# Altium PCB UltraZOhm_CarrierBoard.PcbDoc (part 3 of 12) (continued)
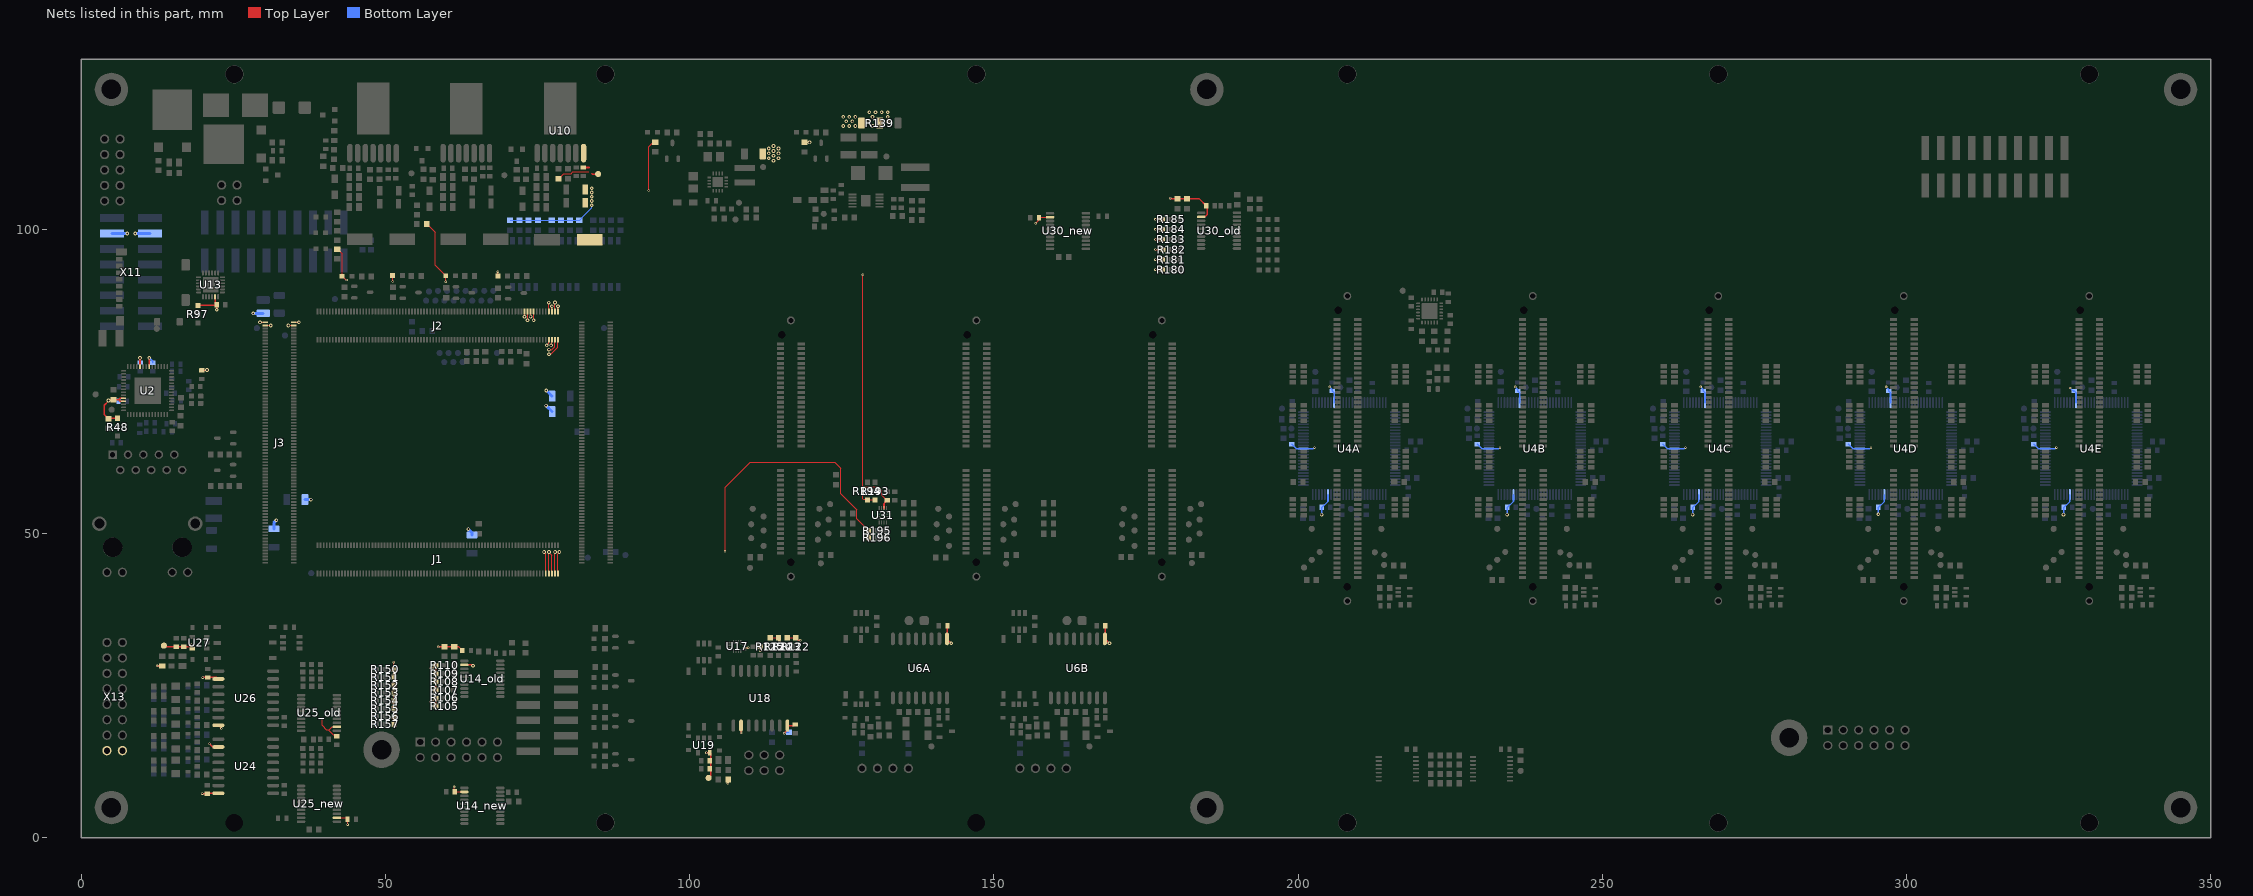
[diagram p7: the nets of this part, all layers, seen from the top]
## Part data (continued)
R67A R67B R67C R67D R67E R68A R68B R68C R68D R68E R69A R69B R69C R69D R69E R70A R70B R70C R70D R70E R72A R72B R72C R72D R72E R73A R73B R73C R73D R73E R174A R174B R174C R174D: library part R_0603, "SMD Resistor 0603", MPN=MCMR06X51R0FTL, Package=0603, Power=100mW, Supplier Part Number 1=2073529, Tolerance=1%, Voltage=75V, Created=2018_09_06_AGeiger, MF=Multicomp, Supplier 1=Farnell
R75A R75B R75C R75D R75E R138: library part R_0603, "SMD Resistor 0603", MPN=tbd, Package=0603, Assembly=dnp, Created=2018_09_06_AGeiger, MF=tbd, Power=tbd, Supplier 1=tbd, Supplier Part Number 1=tbd, Tolerance=tbd, Voltage=tbd
R76A R76B R77A R77B R169A R169B R169C R169D R169E R169F R169G R169H: library part R_0603, "SMD Resistor 0603", MPN=MCWR06X62R0FTL, Package=0603, Power=100mW, Supplier Part Number 1=2447415, Tolerance=1%, Voltage=50V, Created=2018_09_06_AGeiger, MF=Multicomp, Supplier 1=Farnell
R80A R80B: library part R_0603, "SMD Resistor 0603", MPN=MCWR06X2942FTL, Package=0603, Power=100mW, Supplier Part Number 1=2694813, Tolerance=1%, Voltage=75V, Created=2018_09_06_AGeiger, MF=Vishay, Supplier 1=Farnell
R81A R81B R127 R164: library part R_0603, "SMD Resistor 0603", MPN=ERJ3EKF9311V, Package=0603, Power=100mW, Supplier Part Number 1=2059405, Tolerance=1%, Voltage=75V, Created=2018_09_06_AGeiger, MF=Panasonic, Supplier 1=Farnell
R82 R86: library part R_0603, "SMD Resistor 0603", MPN=MCWR04X4701FTL, Package=0603, Power=62.5mW, Supplier Part Number 1=2447187, Tolerance=±1%, Voltage=50V, Created=2018_09_06_AGeiger, MF=Multicomp, Supplier 1=Farnell
R83 R87: library part R_0603, "SMD Resistor 0603", MPN=MCWR06X1501FTL, Package=0603, Power=100mW, Supplier Part Number 1=2447279, Tolerance=±1%, Voltage=50V, Created=2018_09_06_AGeiger, MF=Multicomp, Supplier 1=Farnell
R84 R134: library part R_0603, "SMD Resistor 0603", MPN=CRCW0603100KFKEA, Package=0603, Power=100mW, Supplier Part Number 1=1469649, Tolerance=±1%, Voltage=75V, Created=2018_09_06_AGeiger, MF=Vishay, Supplier 1=Farnell
  R84: Assembly=dnp
R85 R89 R96 R137 R140 R143: library part R_0603, "SMD Resistor 0603", MPN=CR0603-FX-2002ELF, Package=0603, Power=100mW, Supplier Part Number 1=2333523, Tolerance=±1%, Voltage=50V, Created=2018_09_06_AGeiger, MF=Bourns, Supplier 1=Farnell
  R85 R89 R96: Assembly=dnp
R88 R95 R172 R173 R219 R220: library part R_0603, "SMD Resistor 0603", MPN=MCWR04X4702FTL, Package=0603, Power=100mW, Supplier Part Number 1=2447179, Tolerance=±1%, Voltage=50, Created=2018_09_06_AGeiger, MF="Multicomp Pro", Supplier 1=Farnell
R93: library part R_0603, "SMD Resistor 0603", MPN=MCWR06X1501FTL, Package=0603, Power=100mW, Supplier Part Number 1=2447279, Tolerance=1%, Voltage=50V, Created=2019_10_14_AGeiger, MF=Multicomp, Supplier 1=Farnell
R94: library part R_0603, "SMD Resistor 0603", MPN=ERA3ARB1911V, Package=0603, Power=100mW, Supplier Part Number 1=2094529, Tolerance=±0.1%, Voltage=75V, Created=2018_09_06_AGeiger, MF=Panasonic, Supplier 1=Farnell
R97 R105 R106 R107 R108 R109 R110 R122 R123 R124 R125 R150 R151 R152 R153 R154 R155 R156 R157 R158 R159 R160 R162 R163 R165 R166 R167 R180 R181 R182 R183 R184 R185 R186 R187 R188 R189 R190 R191 R193 R194 R195 R196: library part R_config, "Solder 0603 resistor/jumper between pads 1 and 2 for standard function. Solter resistor between pads 2 and 3 for alternative function", MPN=MCWR06X1002FTL, Package=0603, Power=100mW, Supplier Part Number 1=2447230, Tolerance=1%, Voltage=50V, Created=2018_09_04_AGeiger, MF=Multicomp, Supplier 1=Farnell
  R105 R107 R108 R109 R110 R150 R152 R153 R154 R155 R156 R157 R158 R159 R160 R162 R163 R165 R166 R167 R180 R182 R183 R184 R185 R186 R187 R188 R189 R190 R191: Assembly=dnp
R100 R101 R102 R103 R149 R211 R212 R213 R214 R215 R216 R217 R221 R222 R223 R224 R225: "SMD Resistor 0603", Package=0603, Power=tbd, Tolerance=1%, Created=2018_09_06_AGeiger, Voltage=tbd
R104 R192 R218: library part R_0603, "SMD Resistor 0603", MPN=MCWR06X2003FTL, Package=0603, Power=100mW, Supplier Part Number 1=2447291, Tolerance=1%, Voltage=50V, Created=2018_09_06_AGeiger, MF=Multicomp, Supplier 1=Farnell
R126 R161: library part R_0603, "SMD Resistor 0603", MPN=CRCW060316K0FKEA, Package=0603, Power=100mW, Supplier Part Number 1=2138433, Tolerance=1%, Voltage=75V, Created=2018_09_06_AGeiger, MF=Vishay, Supplier 1=Farnell
R128 R129 R130 R131 R133 R136: library part R_1206, "SMD Resistor 1206", MPN="MCMR12X000 PTL", Package=1206, Supplier Part Number 1=2073874, Tolerance=±0.05Ohm, Created=2018_07_20_AGeiger, MF=Multicomp, Supplier 1=Farnell
R135: library part R_0603, "SMD Resistor 0603", MPN=CRCW060324K9FKEA, Package=0603, Power=100mW, Supplier Part Number 1=1469785, Tolerance=±1%, Voltage=75V, Created=2018_09_06_AGeiger, MF=Vishay, Supplier 1=Farnell
R139: library part R_config, "Solder resistor/jumper between pads 1 and 2 for standard function. Solder resistor between pads 2 and 3 for alternative function", MPN="MCMR12X000 PTL", Package=1206, Supplier Part Number 1=2073874, Tolerance=±0.05Ohm, Created=2018_09_04_AGeiger, MF=Multicomp, Supplier 1=Farnell
R141: library part R_0603, "SMD Resistor 0603", MPN=MCWR06X2001FTL, Package=0603, Power=100mW, Supplier Part Number 1=2447319, Tolerance=±1%, Voltage=50V, Created=2018_09_06_AGeiger, MF=Multicomp, Supplier 1=Farnell
R144: library part R_0603, "SMD Resistor 0603", MPN=ERJ3EKF1601V, Package=0603, Power=100mW, Supplier Part Number 1=2303159, Tolerance=±1%, Voltage=75V, Created=2018_09_06_AGeiger, MF=Panasonic, Supplier 1=Farnell
R145: library part R_0603, "SMD Resistor 0603", MPN=ERJ3EKF4123V, Package=0603, Power=100mW, Supplier Part Number 1=2303283, Tolerance=±1%, Voltage=75V, Created=2018_09_06_AGeiger, MF=Panasonic, Supplier 1=Farnell
R170A R170B R170C R170D R170E R170F R170G R170H: library part R_0805_PTC-Fuse, "Resettable Fuse PTC, Trip Current 300mA, Current Rating 100mA", MPN=0ZCK0010FF2G, Package=0805, Supplier Part Number 1=530-0ZCK0010FF2G, Created=2018_09_14_AGeiger, HelpURL=https://www.mouser.de/datasheet/2/643/0ZCK_Nov2016-1135081.pdf, MF="Bel Fuse", Supplier 1=Mouser
R197: library part R_0603, "SMD Resistor 0603", MPN=MCMR06X51R0FTL, Package=0603, Power=100mW, Supplier Part Number 1=2073347, Tolerance=1%, Voltage=75V, Created=2018_09_06_AGeiger, MF=Multicomp, Supplier 1=Farnell
SW1 SW2 SW3: library part DIP-SW-4p, "DIP-/SIP Switches 4p SMT 1.27mm", MPN=1571983-5, MPN_2=GDH04STR04, Supplier Part Number 1=2060778, ComponentLink1Description=Datasheet, ComponentLink1URL=http://www.farnell.com/datasheets/1647573.pdf, Created=2018_11_15_AGeiger, MF="TE Connectivity", Supplier 1=Farnell, Supplier 2=Mouser, Supplier 3=Digi-Key, Supplier Part Number 2=506-GDH04STR04, Supplier Part Number 3=450-1762-1-ND
T1 T2 T3 T4 T5 T6 T7 T9A T9B T9C T9D T10: library part NPN-SOT23, MPN=MMBT3904-7-F, Package=SOT-23-3, Supplier Part Number 1=1773602, ComponentLink1Description=Datasheet, ComponentLink1URL=https://www.mouser.de/datasheet/2/115/ds30036-41708.pdf, Created=2018_10_30_AGeiger, MF="Diodes Incorporated", Supplier 1=Farnell, Supplier 2=Mouser, Supplier 3=Digi-Key, Supplier Part Number 2=621-MMBT3904-F, Supplier Part Number 3=MMBT3904-FDICT-ND
T8 T11: library part ONSC-PMOS-ATP108, "P-Channel Power MOSFET, -40 V, -70 A, 10.4 mOhm, Single, 3-Pin ATPAK, Pb-Free, Tape and Reel", Package="DPAK (Single Gauge) / ATPAK", Supplier Part Number 1=863-ATP108-TL-H, Channel Polarity="P Channel", Ciss Typ (pF)=3850, ComponentLink1Description="Manufacturer URL", ComponentLink1URL=http://www.onsemi.com/, ComponentLink2Description=Datasheet, ComponentLink2URL=http://www.onsemi.com/pub_link/Collateral/ENA1604-D.PDF, ComponentLink3Description="Package Specification", ComponentLink3URL=http://www.onsemi.com/pub_link/Collateral/369AM.PDF, Configuration=Single, Coss Typ (pF)=560, Created=2018_09_17_AGeiger, Crss Typ (pF)=390, ID Max (A)=70, MF="On Semiconductor", Mounting Technology="Surface Mount", MPN=ATP108-TL-H, PackageDescription="3-Pin Flange Mount, Body 6.5 x 7.3 mm, Pitch 2.3 mm", PackageReference=ATPAK-3-369AM, PackageVersion="Rev. O, 02/2012", Packing="Tape and Reel", PD Max (W)=60, RoHS=Pb-Free, Supplier 1=Mouser, Supplier 2=Farnell, Supplier 3=Digi-Key, Supplier Part Number 2=2774816RL, Supplier Part Number 3=ATP108-TL-HOSCT-ND, V(BR)DSS Min (V)=40, VGS(th) Max (V)=2.6, VGS Max (V)=20
TP1 TP2 TP3 TP4 TP5 TP6 TP7 TP8 TP9 TP10 TP11 TP12 TP13 TP14 TP15 TP16 TP17 TP18 TP19 TP20 TP21 TP22 TP23 TP24 TP25 TP26 TP27 TP28 TP29 TP30 TP31 TP32 TP33 TP34 TP35 TP36 TP37 TP38 TP39 TP40 TP41 TP42 TP43 TP45A TP45B TP45C TP46A TP46B TP46C TP47A TP47B TP47C TP48A TP48B TP48C TP49A TP49B TP49C TP50A TP50B TP50C TP51A TP51B TP51C TP52A TP52B TP52C TP53A TP53B TP53C TP54A TP54B TP54C TP55A TP55B TP55C TP56A TP56B TP56C TP57A TP57B TP57C TP57D TP57E TP58A TP58B TP58C TP58D TP58E TP59A TP59B TP59C TP59D TP59E TP60A TP60B TP60C TP60D TP60E TP61A TP61B TP61C TP61D TP61E TP62A TP62B TP62C TP62D TP62E TP63A TP63B TP63C TP63D TP63E TP64A TP64B TP64C TP64D TP64E TP65A TP65B TP65C TP65D TP65E TP66A TP66B TP66C TP66D TP66E TP67A TP67B TP67C TP67D TP67E TP68A TP68B TP69 TP70 TP71 TP72 TP73 TP74 TP75 TP76 TP77 TP78 TP79 TP80 TP81A TP81B TP81C TP81D TP81E TP82A TP82B TP82C TP82D TP82E TP83: library part TP_1mm, Created=2018_06_25_AGeiger
U1: library part SiT9003, "Automotive AEC-Q100 Oscillator 4MHz", MPN=SIT8924AM-12-33N-4.000000G, Package="2.5  x 2.0mm", Supplier Part Number 1=1473-1689-1-ND, Voltage=3.3V, ComponentLink1Description=Datasheet, ComponentLink1URL=https://media.digikey.com/pdf/Data%20Sheets/SiTime%20PDFs/SIT8924A.pdf, Created=2019_10_06_AGeiger, MF=SiTime, Supplier 1=Digi-Key
U2: library part 88E1512, "Ethernet ICs Single-port EEE GE PHY w/SGMII in 56-pin QFN package Industrial Temp", Package=QFN56, Supplier Part Number 1=348-88E1512A0NNP2I00, ComponentLink1Description=Datasheet, ComponentLink1URL=https://www.mouser.de/datasheet/2/912/arvell-phys-transceivers-alaska-88e151x-datasheet--1360912.pdf, Created=2018_07_17_AGeiger, MF=Marvell, MPN=88E1512-A0-NNP2I000, Supplier 1=Mouser
U3: library part SiT8008, "SiT8008BI-73-18S-25.000000G", MPN=SIT8008BI-73-18S-25.000000G, Package="2.0  x 1.6mm", Supplier Part Number 1=788-8008BI7318S25.G, Voltage=1.8V, ComponentLink1Description=Datasheet, ComponentLink1URL=https://4donline.ihs.com/images/VipMasterIC/IC/SIME/SIME-S-A0002505729/SIME-S-A0002505729-1.pdf?hkey=52A5661711E402568146F3353EA87419, Created=2018_07_17_AGeiger, HelpURL=https://www.sitime.com/products/lvcmos-oscillators/sit8008, MF=SiTime, Supplier 1=Mouser, Supplier 2=Digi-Key, Supplier Part Number 2=SIT8008BI-73-18S-25.000000G
U4A U4B U4C U4D U4E: "ispMACH 4064 SuperFAST High Density PLD, 3.3 V, 64 User I/Os, 100-Pin TQFP, 7.5 ns, Automotive Grade, Pb-Free", Package=TQFP100, Supplier Part Number 1=842-LA4128V75TN100E, ComponentLink1Description="Manufacturer URL", ComponentLink1URL=http://www.latticesemi.com/, ComponentLink2Description=Datasheet, ComponentLink2URL=http://www.latticesemi.com/dynamic/view_document.cfm?document_id=3646, Created=2018_06_29_AGeiger, MF=Lattice, MPN=LA4128V-75TN100E, Supplier 1=Mouser, Supplier 2=Digi-Key, Supplier Part Number 2=LA4128V-75TN100E-ND
U5A U5B U5C U5D U5E: library part 74AHCX1G14-5, "Inverting Schmitt trigger for 2 V to 5.5 V", Package=TSSOP-5, Supplier Part Number 1=1727-3149-2-ND, ComponentLink1Description=Datasheet, ComponentLink1URL=https://www.mouser.de/datasheet/2/916/74AHC_AHCT1G14-1319577.pdf, Created=2018_09_06_AGeiger, MF=Nexperia, MPN=74AHC1G14GW,125, Supplier 1=Digi-Key, Supplier 2=Mouser, Supplier 3=Farnell, Supplier Part Number 2=771-74AHC1G14GW-G, Supplier Part Number 3=2336684
U6A U6B: "5kV  Isolated CAN Transceivers", MPN=MAX14878AWE+, Package="SOIC-16 (wide-body)", Supplier Part Number 1=2792798, ComponentLink1Description=Datasheet, ComponentLink1URL=https://www.mouser.de/datasheet/2/256/MAX14878-MAX14880-1146963.pdf, Created=2018_09_05_AGeiger, MF="Maxim Integrated", Supplier 1=Farnell, Supplier 2=Mouser, Supplier 3=Digi-Key, Supplier Part Number 2=700-MAX14878AWE+, Supplier Part Number 3=MAX14878AWE+-ND
U7A U7B U19 U27: "LDO Voltage Regulator, Adjustable, 1.8V to 20V in, 300mV drop, 1.22V to 20V/0.1A out, TSOT-23-5", MPN=LT1761ES5-BYP#TRMPBF, Package=SOT23-5, Supplier Part Number 1=1663782, ComponentLink1Description=Datasheet, ComponentLink1URL=http://www.farnell.com/datasheets/1563033.pdf, Created=2018_09_13_AGeiger, MF="Linear Technology", Supplier 1=Farnell
U8A U8B U20 U28: library part WE-760390015, "MID-PPTI Push-Pull Transformers for Texas Instruments", Supplier Part Number 1=710-760390015, ComponentLink1Description=Datasheet, ComponentLink1URL=https://www.mouser.de/datasheet/2/445/760390015-221218.pdf, Created=2018_09_12_AGeiger, MF="Wuerth Elektronik", MPN=760390015, Supplier 1=Mouser, Supplier 2=Digi-Key, Supplier Part Number 2=732-4459-1-ND
U9A U9B U21 U29: library part SN6505B, "SN6505 Low-Noise 1-A Transformer Drivers for Isolated Power Supplies", Package="SOT-23 6-pin", Supplier Part Number 1=2507108, Created=2018_09_12_AGeiger, MF="Texas Instruments", MPN=SN6505BDBVT, Supplier 1=Farnell
U10 U11 U12: library part WE-DCDC-171050601, "DC/DC VIN = 6V-36V, 5A, VOUT = 0.8V-6V", Package=TO263-7EP, Supplier Part Number 1=710-171050601, ComponentLink1Description=Datasheet, ComponentLink1URL=https://www.mouser.de/datasheet/2/445/171050601-336102.pdf, Created=2018_09_06_AGeiger, HelpURL=https://katalog.we-online.de/de/pm/MAGIC-VDRM/171050601?m=n&sp=https%3A%2F%2Fwww.we-online.de%2Fweb%2Fde%2Felectronic_components%2Fsearchpage_PBS.php%3Fsearch%3D171050601#vs_ct:1, MF="Wuerth Elektronik", MPN=171050601, Supplier 1=Mouser
U13: Package=QFN24, Supplier Part Number 1=2335617RL, ComponentLink1Description=Datasheet, ComponentLink1URL=http://www.ti.com/lit/ds/symlink/txs02612.pdf, Created=2018_06_25_AGeiger, HelpURL=http://www.ti.com/product/TXS02612/samplebuy?CMP=conv-poasamples#samplebuy, MF="Texas Instruments", MPN=TXS02612RTWR, Supplier 1=Farnell, Supplier 2=Mouser, Supplier 3=Digi-Key, Supplier Part Number 2=595-TXS02612RTWR, Supplier Part Number 3=296-23869-1-ND
U14_new U25_new U30_new: library part TI-TXS0108EPWR, "8 Bit bidirictional level shifter with integrated pull up resistors and one shot output circuit", Max Voltage=3.6, Supplier Part Number 1=595-TXS0108EQPWRQ1, ComponentLink1Description=Datasheet, ComponentLink1URL=http://www.ti.com/lit/gpn/txs0108e-q1, Created=2020-05-05_Thilo_Wendt, HelpURL=http://www.ti.com/product/TXS0108E-Q1?keyMatch=TXS0108&tisearch=Search-EN-everything&usecase=part-number, MF="Texas Instruments", MPN=TXS0108EQPWRQ1, Supplier 1=Mouser, Supplier 2=RS, Supplier 3=Digi-Key, Supplier Part Number 2=709-4639, Supplier Part Number 3=296-23011-1-ND
U14_old U25_old U30_old: library part TI-LSF0108PWR, "Automotive 8-Channel Mulit-Voltage Level Translator", MPN=LSF0108QPWRQ1, Package=CurrentFootprint, Supplier Part Number 1=595-LSF0108QPWRQ1, ComponentLink1Description=Datasheet, ComponentLink1URL=http://www.ti.com/lit/ds/symlink/lsf0108-q1.pdf, Created=2018_09_17_AGeiger, MF="Texas Instruments", Supplier 1=Mouser
U15 U16: "74HC32A Quad 2-input OR gate", MPN=NLV74HC32ADTR2G, Package=TSSOP-14, Supplier Part Number 1=863-NLV74HC32ADTR2G, ComponentLink1Description=Datasheet, ComponentLink1URL=https://www.mouser.de/datasheet/2/308/MC74HC32A-D-96986.pdf, Created=2018_11_15_AGeiger, MF="ON Semiconductor", Qualification=AEC-Q100, Supplier 1=Mouser, Supplier 2=Digi-Key, Supplier Part Number 2=NLV74HC32ADTR2GOSCT-ND
U17 U31: library part SN74AVC4T774RSVR, "4-Bit Dual-Supply Bus Transceiver With Configurable Voltage-Level Shifting and 3-State Outputs With Independent Direction Control Inputs", Package=UQFN-16, Supplier Part Number 1=595-SN74AVC4T774RSVR, ComponentLink1Description=Datasheet, ComponentLink1URL=http://www.ti.com/lit/ds/symlink/sn74avc4t774.pdf, Created=2018_09_13_AGeiger, HelpURL=http://www.ti.com/product/SN74AVC4T774, MF="Texas Instruments", MPN=SN74AVC4T774RSVR, Supplier 1=Mouser
U18: "5 kV RMS Quad-Channel Digital Isoators", MPN=ADUM4401ARWZ, Package="SOIC-16 (wide-body)", Supplier Part Number 1=584-ADUM4401ARWZ-R, ComponentLink1Description=Datasheet, ComponentLink1URL=http://www.analog.com/media/en/technical-documentation/data-sheets/ADuM4400_4401_4402.pdf, Created=2018_09_13_AGeiger, MF="Analog Devices", Supplier 1=Mouser, Supplier 2=Newark, Supplier Part Number 2=11R0965
U22: library part TI-TPS62097-Q1, "2A High Efficiency Step-Down Converter in Wettable Flanks QFN Package", MPN=TPS62097QWRGTRQ1, Package="VQFN-16 (RGT Package with Wettable Flanks)", Supplier Part Number 1=2851313, ComponentLink1Description=Datasheet, ComponentLink1URL=http://www.ti.com/lit/ds/symlink/tps62097-q1.pdf, Created=2018_09_18_AGeiger, MF="Texas Instruments", Supplier 1=Farnell, Supplier 2=Mouser, Supplier 3=Digi-Key, Supplier Part Number 2=595-TPS62097QWRGTRQ1, Supplier Part Number 3=296-48349-1-ND
U23: library part TI-TPS54260-Q1, "3.5V to 60V Step-Down Converter With Eco-mode", MPN=TPS54260QDGQRQ1, Package=HVSSOP-10, Supplier Part Number 1=595-TPS54260QDGQRQ1, ComponentLink1Description=Datasheet, ComponentLink1URL=http://www.ti.com/lit/ds/symlink/tps54260-q1.pdf, Created=2018_09_20_AGeiger, MF="Texas Instruments", Supplier 1=Mouser, Supplier 2=Digi-Key, Supplier Part Number 2=296-28183-1-ND
U24 U26: "5 kV RMS Quad-Channel Digital Isolators", MPN=ADUM4402WARWZ, Package="SOIC-16 (wide-body)", Supplier Part Number 1=584-ADUM4402WARWZ, ComponentLink1Description=Datasheet, ComponentLink1URL=https://www.mouser.de/datasheet/2/609/ADuM4400W_4401W_4402W-879095.pdf, Created=2018_09_17_AGeiger, MF="Analog Devices", Supplier 1=Mouser
U32: library part TI_LMK00105, "Ultra-Low Jitter LVCMOS Fanout Buffer ad Level Translator With Universal Input", MPN=LMK00105SQ/NOPB, Package=WQFN-24, Supplier Part Number 1=2492236, Created=2018_12_19_AGeiger, MF="Texas Instruments", Supplier 1=Farnell, Supplier 2=Mouser, Supplier 3=Digi-Key, Supplier Part Number 2=926-LMK00105SQ/NOPB, Supplier Part Number 3=296-35192-1-ND
X1 X8: library part TE0790-JB, MPN=TE0790-02, Created=2018_09_04_AGeiger, MF="Trenz Electronic", Supplier 1="Trenz Electronic", Supplier 2=Digi-Key, Supplier Part Number 1=TE0790-02, Supplier Part Number 2=1686-1023-ND
X3: library part IPL1-110-XX-X-D-X, "2.54mm Double Row Terminal Assembly", Supplier Part Number 1=2779506, Created=2018_05_02_AGeiger, MF=SAMTEC, MPN=CurrentFootprint, Supplier 1=Farnell, Supplier 2=Mouser, Supplier 3=Digi-Key, Supplier Part Number 2=200-IPL111002LDK, Supplier Part Number 3=SAM10586-ND
X4: "WE-RJ45 LAN Transformer, 10/100/1000 Base-T, THT, Port 1x1, Tab Vertical", Operating Temperature="-40 to +85 degC", Package=RJ45, Supplier Part Number 1=2356117, ComponentLink1Description=Manufacturer, ComponentLink1URL=http://www.we-online.de, ComponentLink2Description=Datasheet, ComponentLink2URL=http://katalog.we-online.de/pbs/datasheet/7499110123.pdf, Created=2018_11_22_AGeiger, Data Rate="10/100/1000 Base-T", LED (Left-Right)=yellow/green-green/yellow, MF="Wuerth Elektronik", Mounting Technology=THT, MPN=7499110123, PoE=non-PoE, Port Number=1x1, Published Date="Dec. 2017", Supplier 1=Farnell, Supplier 2=Mouser, Supplier 3=Digi-Key, Supplier Part Number 2=710-7499110123, Supplier Part Number 3=732-4958-ND, Tab Position=Vertical, USB=No
X5A X5B X5C: library part HSEC8-140-01-XX-DV-A-BL, "0.8mm High Speed Edge Card Assembly", Supplier Part Number 1=2731769, Created=2018_04_10_AGeiger, MF=SAMTEC, MPN=HSEC8-140-01-L-DV-A-BL, Supplier 1=Farnell, Supplier 2=Mouser, Supplier 3=Digi-Key, Supplier Part Number 2=200-HSEC814001LDVABL, Supplier Part Number 3=HSEC8-140-01-L-DV-A-BL-ND
X6A X6B X6C X6D X6E: library part HSEC8-150-01-XX-DV-A-BL, "0.8mm High Speed Edge Card Assembly", Supplier Part Number 1=2731836, Created=2018_04_10_AGeiger, MF=SAMTEC, MPN=HSEC8-150-01-L-DV-A-BL, Supplier 1=Farnell, Supplier 2=Mouser, Supplier 3=Digi-Key, Supplier Part Number 2=200-HSEC815001LDVABL, Supplier Part Number 3=HSEC8-150-01-L-DV-A-BL-ND
X7A X7B: library part IPL1-104-XX-X-S-X, "2.54mm Single Row Terminal Assembly, Right Angle", Supplier Part Number 1=2856253, Created=2018_05_02_AGeiger, MF=SAMTEC, MPN=CurrentFootprint, Supplier 1=Farnell, Supplier 2=Mouser, Supplier 3=Digi-Key, Supplier Part Number 2=200-IPL110401LSK, Supplier Part Number 3=SAM9098-ND
X9: library part HTSS-110-XX-X-DX, "2.54mm Double Row Terminal Assembly", Supplier Part Number 1=1801396, Created=2018_11_25_AGeiger, MF=SAMTEC, MPN=CurrentFootprint, Supplier 1=Farnell, Supplier 2=Mouser, Supplier 3=Digi-Key, Supplier Part Number 2=200-HTSS11001LDV, Supplier Part Number 3=SAM9516-ND
X10: library part IPL1-106-XX-X-D-X, "2.54mm Double Row Terminal Assembly, Right-Angled", Supplier Part Number 1=200-IPL110602LDK, Created=2018_05_03_AGeiger, MF=SAMTEC, MPN=CurrentFootprint, Supplier 1=Mouser, Supplier 2=Digi-Key, Supplier Part Number 2=SAM10584-ND
X11: library part IPL1-108-XX-X-D-X, "2.54mm Double Row Terminal Assembly", Supplier Part Number 1=2526789, Created=2018_09_17_AGeiger, MF=SAMTEC, MPN=CurrentFootprint, Supplier 1=Farnell, Supplier 2=Mouser, Supplier 3=Digi-Key, Supplier Part Number 2=200-IPL110802LDK, Supplier Part Number 3=SAM9606-ND
X12: library part IPL1-103-XX-X-D-X, "2.54mm Double Row Terminal Assembly", Supplier Part Number 1=2856248, Created=2018_05_02_AGeiger, MF=SAMTEC, MPN=CurrentFootprint, Supplier 1=Farnell, Supplier 2=Mouser, Supplier 3=Digi-Key, Supplier Part Number 2=200-IPL110301LDK, Supplier Part Number 3=SAM9594-ND
X13: library part IPL1-108-XX-X-D-X, "2.54mm Double Row Terminal Assembly", Supplier Part Number 1=2856261, Created=2018_09_17_AGeiger, MF=SAMTEC, MPN=CurrentFootprint, Supplier 1=Farnell, Supplier 2=Mouser, Supplier 3=Digi-Key, Supplier Part Number 2=200-IPL110801LDK, Supplier Part Number 3=SAM10585-ND
X14: library part IPL1-105-XX-X-D-X, "2.54mm Double Row Terminal Assembly", Supplier Part Number 1=2308545, Created=2018_05_02_AGeiger, MF=SAMTEC, MPN=CurrentFootprint, Supplier 1=Farnell, Supplier 2=Mouser, Supplier 3=Digi-Key, Supplier Part Number 2=200-IPL110501LDK, Supplier Part Number 3=SAM8825-ND
X15: library part IPL1-102-XX-X-D-X, "2.54mm Double Row Terminal Assembly, Right-Angled", Supplier Part Number 1=2667420, Created=2018_05_02_AGeiger, MF=SAMTEC, MPN=CurrentFootprint, Supplier 1=Farnell, Supplier 2=Mouser, Supplier 3=Digi-Key, Supplier Part Number 2=200-IPL110201LDK, Supplier Part Number 3=SAM10565-ND
X16: library part 104031-0811, "microSD Memory Card Connector with Detect Switch", Case=microSD, Supplier Part Number 1=2466891, ComponentLink1Description=Datasheet, ComponentLink1URL=https://www.mouser.de/datasheet/2/276/1040310811_MEMORY_CARD_SOCKET-153593.pdf, Created=2018_09_13_AGeiger, MF=Molex, MPN=104031-0811, Supplier 1=Farnell, Supplier 2=Mouser, Supplier 3=Digi-Key, Supplier Part Number 2=538-104031-0811, Supplier Part Number 3=WM6357CT-ND
Serial1: Created=2018_09_18_AGeiger

## Free pads (board coordinates)
  round 0 hole 2.9 unplated mask+0.102: hole(25.2,2.5)
  round 3 hole 2.9 unplated: hole(25.2,125.5) hole(86.16,2.5) hole(86.16,125.5) hole(147.12,125.5) hole(208.08,2.5) hole(208.08,125.5) hole(269.04,2.5) hole(269.04,125.5) hole(330,2.5) hole(330,125.5)
  round 0 hole 2.9 unplated: hole(147.12,2.5)

## Via types
v1: diameter 0.4, hole 0.2, Top Layer to Bottom Layer, tented bottom, 866 vias
v2: diameter 0.4, hole 0.2, Top Layer to Bottom Layer, tented both sides, 783 vias
v3: diameter 0.6, hole 0.3, Top Layer to Bottom Layer, tented both sides, 508 vias
v4: diameter 0.6, hole 0.3, Top Layer to Bottom Layer, tented bottom, 276 vias
v5: diameter 0.5, hole 0.2, Top Layer to Bottom Layer, tented bottom, 5 vias
v6: diameter 0.5, hole 0.3, Top Layer to Bottom Layer, tented bottom, 5 vias
v7: diameter 1, hole 0.5, Top Layer to Bottom Layer, tented bottom, 2 vias
v8: diameter 0.4, hole 0.2, Top Layer to Bottom Layer, 1 vias

## Nets (pads, with @x,y where several pads share a name; then routed paths per layer and width w, separated by ;. In a path a pad name is that pad's centre, name@x,y a point inside that pad or via, vN(x,y) a via of type N, cw(c..) or ccw(c..) an arc to the next point about the centre after c; other vN are vias at no path point)
1V8_MOD: R128.1 R129.1 R130.2 R131.1 R133.1 R136.1 R139.3 R146.1 | length 15.1
  Top Layer w0.2: v1(93.3,106.4) 93.3,113.6 94.048,114.348 R146.1@94.362,114.348
  Bottom Layer w0.5: R129.1@31.679,50.791 31.679,51.779 v4(32.1,52.2) ; R128.1@36.791,55.61 37.765,55.61 v4(37.775,55.6) ; v4(63.65,50.75) 64.245,50.155 R136.1@64.245,49.791 ; v4(76.425,71.05) R133.1@77.407,70.069 ; v4(76.45,73.525) 76.487,73.525 R131.1@77.407,72.605
  other v3: 113,111.7 113,112.5 113,113.3
  other v4: 113.8,111.3 114.6,111.7 113.8,112.1 114.6,112.5 113.8,112.9 114.6,113.3 113.8,113.7 125.25,117 126.25,117 127.25,117 125.75,117.75 126.75,117.75 125.25,118.5 126.25,118.5 127.25,118.5
1V8_PER: C5.1 C6.1 C7.1 C22A.2 C22B.2 C22C.2 C22D.2 C22E.2 C23A.2 C23B.2 C23C.2 C23D.2 C23E.2 C24A.2 C24B.2 C24C.2 C24D.2 C24E.2 C34A.2 C34B.2 C71.1 C74.2 C77.2 C100.1 C109.2 C110.1 C117.1 C119.2 C124.1 L3.1 R48.1 R50.1 R97.3 R100.1 R101.1 R105.3 R106.3 R107.3 R108.3 R109.3 R110.3 R122.1 R123.3 R124.1 R125.1 R139.2 R148.1 R150.3 R151.3 R152.3 R153.3 R154.3 R155.3 R156.3 R157.3 R176.1 R177.1 R180.3 R181.3 R182.3 R183.3 R184.3 R185.3 R193.1 R194.1 R195.1 R196.1 R210.2 U2.10 U2.11 U2.49 U2.52 U4A.13 U4A.33 U4A.95 U4B.13 U4B.33 U4B.95 U4C.13 U4C.33 U4C.95 U4D.13 U4D.33 U4D.95 U4E.13 U4E.33 U4E.95 U6A.1 U6B.1 U13.5 U14_new.2 U14_old.2 U17.14 U25_new.2 U25_old.2 U30_new.2 U30_old.2 U31.14 X11.7 X11.15 | length 236.9
  Top Layer w0.2: L3.1@19.851,76.856 20.656,76.856 v3(20.7,76.9) ; v1(39.6,19.6) 39.6,18.5 40.317,17.783 40.783,17.783 ; U25_new.2@41.95,3.325 U25_new.2@42.05,3.325 43.575,3.325 C100.1@43.8,3.1 v2(43.8,2.2) ; U25_old.2@41.956,18.272 41.944,18.26 41.26,18.26 40.783,17.783 ; C119.2@42,16.7 41.75,16.95 41.45,16.95 40.783,17.617 40.783,17.783 ; v1(51.4,28.9) 51.425,28.875 R150.3@51.425,27.7 R151.3@51.425,26.414 R152.3@51.425,25.129 R153.3@51.425,23.843 R154.3@51.425,22.557 R155.3@51.425,21.271 R156.3@51.425,19.986 R157.3@51.425,18.7 ; v1(61.3,8.4) 61.3,7.7 C124.1@61.4,7.6 63.075,7.6 U14_new.2@63.1,7.575 ; U14_old.2@62.584,28.475 U14_old.2@63.207,28.475 ; v1@105.842,47.066 105.842,57.607 109.957,61.722 123.85,61.722 124.841,60.731 124.841,56.566 127.45,53.957 127.45,52.471 R195.1@129.4,50.521 R196.1@129.4,49.341 ; U17.14@108.996,31.273 109.602,31.273 v2(109.625,31.25) ; v2(111.6,30.8) 111.631,30.831 C77.2@111.631,31.411 ; R125.1@113.257,32.897 R124.1@114.628,32.897 114.628,32.372 v2(114.7,32.3) ; R123.3@116.051,32.897 R122.1@117.448,32.897 117.845,32.5 v2(118.2,32.5) ; R148.1@118.873,114.323 119.677,114.323 v4(119.7,114.3) ; v1(128.473,92.558) 128.473,57.544 ; R193.1@130.48,55.548 R194.1@129.21,55.548 129.133,55.624 128.602,55.624 128.473,55.753 128.473,57.544 ; C110.1@132.386,55.485 131.572,56.299 131.572,57.038 130.901,57.709 128.638,57.709 128.473,57.544 ; v2(156.9,101) 157.4,101.5 C117.1@157.4,101.9 157.5,102 159.308,102 U30_new.2@159.329,102.021
  Top Layer w0.254: R48.1@6.001,68.975 4.575,68.975 R210.2@4.499,68.9 3.8,69.599 3.8,71.1 4.5,71.8 v3(4.5,71.9) 4.619,72.019 6.181,72.019 ; U2.11@6.995,71.755 6.445,71.755 6.181,72.019 ; U2.10@6.995,72.255 6.417,72.255 6.181,72.019 ; U2.52@9.685,77.445 9.685,78.885 v3(9.7,78.9) ; U2.49@11.185,77.445 11.185,78.885 v3(11.2,78.9) ; R97.3@19.204,87.515 22.223,87.515 C71.1@22.303,87.596 ; U13.5@22.025,88.949 22.025,87.874 C71.1@22.303,87.596 ; v3(22.3,86.8) 22.303,86.803 C71.1@22.303,87.596 ; v3(57.6,22.4) 57.689,22.4 R106.3@58.302,23.012 R105.3@58.302,21.684 ; v3(57.6,27.9) 57.835,27.9 R110.3@58.302,28.366 R109.3@58.302,27.025 R107.3@58.302,24.364 ; v8(58.7,31.4) 59.703,31.4 R101.1@59.751,31.448 62.022,31.448 C74.2@62.662,30.808 C74.2@62.662,30.759 ; U14_old.2@63.207,28.475 64.225,28.475 v3(64.4,28.3) ; U31.14@131.95,54.21 131.95,54.948 132.163,55.162 132.163,55.262 C110.1@132.386,55.485 ; C34A.2@142.364,34.855 142.364,32.785 U6A.1@142.299,32.72 142.299,32.701 v3(143,32) ; C34B.2@168.317,34.855 168.317,32.785 U6B.1@168.252,32.72 168.972,32 v3(169,32) ; v1(176.555,93.396) R180.3@177.661,93.396 ; v1(176.555,95.047) R181.3@177.661,95.047 ; v1(176.555,96.698) R182.3@177.661,96.698 ; v1(176.555,98.349) R183.3@177.661,98.349 ; v1(176.555,100) R184.3@177.661,100 ; v1(176.555,101.651) R185.3@177.661,101.651 ; v1(178.994,105.156) 179.033,105.156 179.167,105.022 R177.1@180.199,105.022 R176.1@181.723,105.022 183.784,105.022 C109.2@184.913,103.894 185.1,103.706 185.1,102.5 184.621,102.021 U30_old.2@184.043,102.021
  Bottom Layer w0.254: v3(4.5,71.9) 6.049,71.9 C5.1@6.171,71.778 ; v3(9.7,78.9) 9.716,78.884 C7.1@9.716,78.116 ; v3(11.2,78.9) 11.774,78.326 C6.1@11.774,78.091 ; C23A.2@198.988,64.707 199.707,63.988 202.519,63.988 v1(202.692,64.16) ; v3(203.86,53.137) 203.897,53.173 C22A.2@203.897,54.336 203.936,54.336 204.907,55.307 U4A.95@204.907,56.438 ; v2(205.181,74.117) 205.613,73.686 C24A.2@205.613,73.448 205.9,73.16 205.9,71.544 U4A.33@205.907,71.538 ; C23B.2@229.468,64.707 230.187,63.988 232.999,63.988 v1(233.172,64.16) ; v3(234.34,53.137) 234.377,53.173 C22B.2@234.377,54.336 234.416,54.336 235.387,55.307 U4B.95@235.387,56.438 ; v1(235.661,74.117) 236.093,73.686 C24B.2@236.093,73.448 236.38,73.16 236.38,71.544 U4B.33@236.387,71.538 ; C23C.2@259.948,64.707 260.667,63.988 263.479,63.988 v1(263.652,64.16) ; v3(264.82,53.137) 264.857,53.173 C22C.2@264.857,54.336 264.896,54.336 265.867,55.307 U4C.95@265.867,56.438 ; v2(266.141,74.117) 266.573,73.686 C24C.2@266.573,73.448 266.86,73.16 266.86,71.544 U4C.33@266.867,71.538 ; C23D.2@290.428,64.707 291.147,63.988 293.959,63.988 v1(294.132,64.16) ; v3(295.351,53.188) 295.344,53.195 295.344,54.328 C22D.2@295.337,54.336 295.376,54.336 296.347,55.307 U4D.95@296.347,56.438 ; v1(296.621,74.117) 297.053,73.686 C24D.2@297.053,73.448 297.34,73.16 297.34,71.544 U4D.33@297.347,71.538 ; C23E.2@320.908,64.707 321.627,63.988 324.439,63.988 v1(324.612,64.16) ; v3(325.78,53.137) 325.817,53.173 C22E.2@325.817,54.336 325.856,54.336 326.827,55.307 U4E.95@326.827,56.438 ; v1(326.847,73.939) 327.339,73.448 C24E.2@327.533,73.448 327.82,73.16 327.82,71.544 U4E.33@327.827,71.538
  Bottom Layer w0.5: X11.15@5.106,99.33 v3(7.6,99.33) ; v3(8.9,99.33) X11.7@11.329,99.33
  other v1: 105.816,47.092
  other v4: 130.05,117 132.55,117.725 129.55,117.75 130.05,118.5 132.55,118.5 129.55,119.25 130.55,119.25 131.55,119.25 132.55,119.25
3V3_ISOGPIO: C97.1 C99.1 C102.2 C105.1 R161.2 TP80.1 U24.10 U24.16 U26.10 U26.16 U27.5 X13.1 X13.9 | length 13.9
  Top Layer w0.254: v2(12.497,28.27) 12.505,28.262 R161.2@13.35,28.262 ; TP80.1@13.604,31.602 13.796,31.41 C105.1@15.636,31.41 C102.2@16.906,31.41 17.996,31.41 U27.5@18.136,31.27 ; v2(18.136,31.775) U27.5@18.136,31.27 ; U27.5@18.246,31.16 U27.5@18.136,31.27 ; v2(19.914,7.29) 19.93,7.274 C97.1@20.716,7.274 20.781,7.339 U24.16@22.566,7.339 ; v2(20.015,26.365) 20.026,26.376 C99.1@20.818,26.376 22.325,26.376 U26.10@22.566,26.135 ; v2(21.107,15.494) 21.643,14.959 U24.10@22.566,14.959 ; U26.16@22.566,18.515 23.063,18.018 v2(23.063,18.009)
3V3_ISOSPI: C80.1 C81.2 C84.1 R120.1 R126.2 TP74.1 U18.10 U18.16 U19.5 | length 10.4
  Top Layer w0.254: v2(102.768,13.995) 102.791,14.017 U19.5@103.31,14.017 103.441,13.886 103.441,10.202 TP74.1@103.122,9.883 ; v2(106.299,8.966) 106.335,9.002 R126.2@106.335,9.629 ; U18.10@108.456,18.464 108.456,17.249 v2(108.458,17.247) ; v2(115.57,17.22) 116.076,17.726 U18.16@116.076,18.464 117.23,18.464 C80.1@117.396,18.63
  Bottom Layer w0.254: v2(115.57,17.22) 115.687,17.338 R120.1@116.33,17.338
3V3_MOD: C46.1 C47.1 C48.2 C49.2 D1.2 D2.2 D3.2 D25.2 J1.151 J1.153 J1.155 J1.157 J1.159 J2.138 J2.140 J2.142 J2.144 J2.153 J2.154 J2.155 J2.156 J2.157 J2.158 J2.159 J2.160 J3.157 J3.158 J3.159 J3.160 L1.2 R17.2 R18.2 R20.2 R21.2 R22.2 R23.2 R24.2 R25.2 R82.2 R91.2 R222.2 TP69.1 U10.7 | length 80.6
  Top Layer w0.2: v4(29.4,84.725) 29.411,84.736 J3.160@30.287,84.736 ; J3.158@30.287,84.236 31.164,84.236 v3(31.175,84.225) ; v3(34.075,84.225) 34.086,84.236 J3.157@34.957,84.236 ; J3.159@34.957,84.736 34.971,84.75 v3(35.8,84.75) ; R91.2@42.105,96.78 42.155,96.78 42.9,96.035 D25.2@42.9,92.299 43.505,91.694 v2(43.637,91.694) ; v2(51.206,91.44) 51.21,91.444 D3.2@51.21,92.409 ; R222.2@56.8,100.9 58.2,99.5 58.2,94.112 D2.2@59.933,92.379 59.933,91.429 v2(59.919,91.415) ; v2(68.504,93.066) 68.508,93.061 D1.2@68.508,92.359 ; J2.138@72.872,86.521 72.872,85.653 v3(72.875,85.65) ; J2.140@73.372,86.521 73.372,85.078 v4(73.375,85.075) ; J2.142@73.872,86.521 73.872,85.678 v3(73.875,85.675) ; J2.144@74.372,86.521 74.372,85.078 v4(74.375,85.075) ; v4(76.1,47) 76.372,46.728 J1.151@76.372,43.451 ; v3(76.525,80.95) 76.872,81.297 J2.153@76.872,81.851 ; v4(76.85,87.975) 76.872,87.953 J2.154@76.872,86.521 ; J1.153@76.872,43.451 v4@76.872,46.972 ; v4(76.875,80.25) 77.375,80.25 77.872,80.747 J2.157@77.872,81.851 ; v4(76.9,47) v4@76.872,46.972 ; v4(76.9,79.5) 77.2,79.5 78.372,80.672 J2.159@78.372,81.851 ; v3(77.25,80.95) 77.372,81.072 J2.155@77.372,81.851 ; J1.155@77.372,43.451 77.372,46.472 v4@76.872,46.972 ; J2.156@77.372,86.521 77.372,87.372 v3(77.375,87.375) ; J1.157@77.872,43.451 77.872,46.972 v4(77.9,47) ; J2.158@77.872,86.521 77.872,87.997 v4(77.875,88) ; J1.159@78.372,43.451 78.372,46.672 78.6,46.9 v4(78.6,47) ; J2.160@78.372,86.521 78.372,87.372 v3(78.375,87.375) ; R82.2@78.459,108.344 79.295,109.18 80.535,109.18 80.835,109.48 83.435,109.48
  Top Layer w0.254: C47.1@82.523,110.174 83.529,110.174 83.535,110.18 ; 83.935,109.18 84.015,109.1 TP69.1@84.972,109.1
  Bottom Layer w0.2: R25.2@70.511,101.482 R24.2@72.035,101.482 R23.2@73.559,101.482 R22.2@75.083,101.482 R21.2@77.346,101.482 R20.2@78.852,101.482 R17.2@81.865,101.482 81.915,101.482 82.265,101.832 82.265,101.882 83.925,103.542 83.925,103.97 v3(83.935,103.98)
  Bottom Layer w0.5: v4(28.3,86.2) 28.321,86.221 L1.2@29.935,86.221
  other v3: 83.935,104.68 83.935,105.38 83.935,106.08 83.935,106.78